# Altium PCB CM_PCB.PcbDoc (part 5 of 7) (continued)
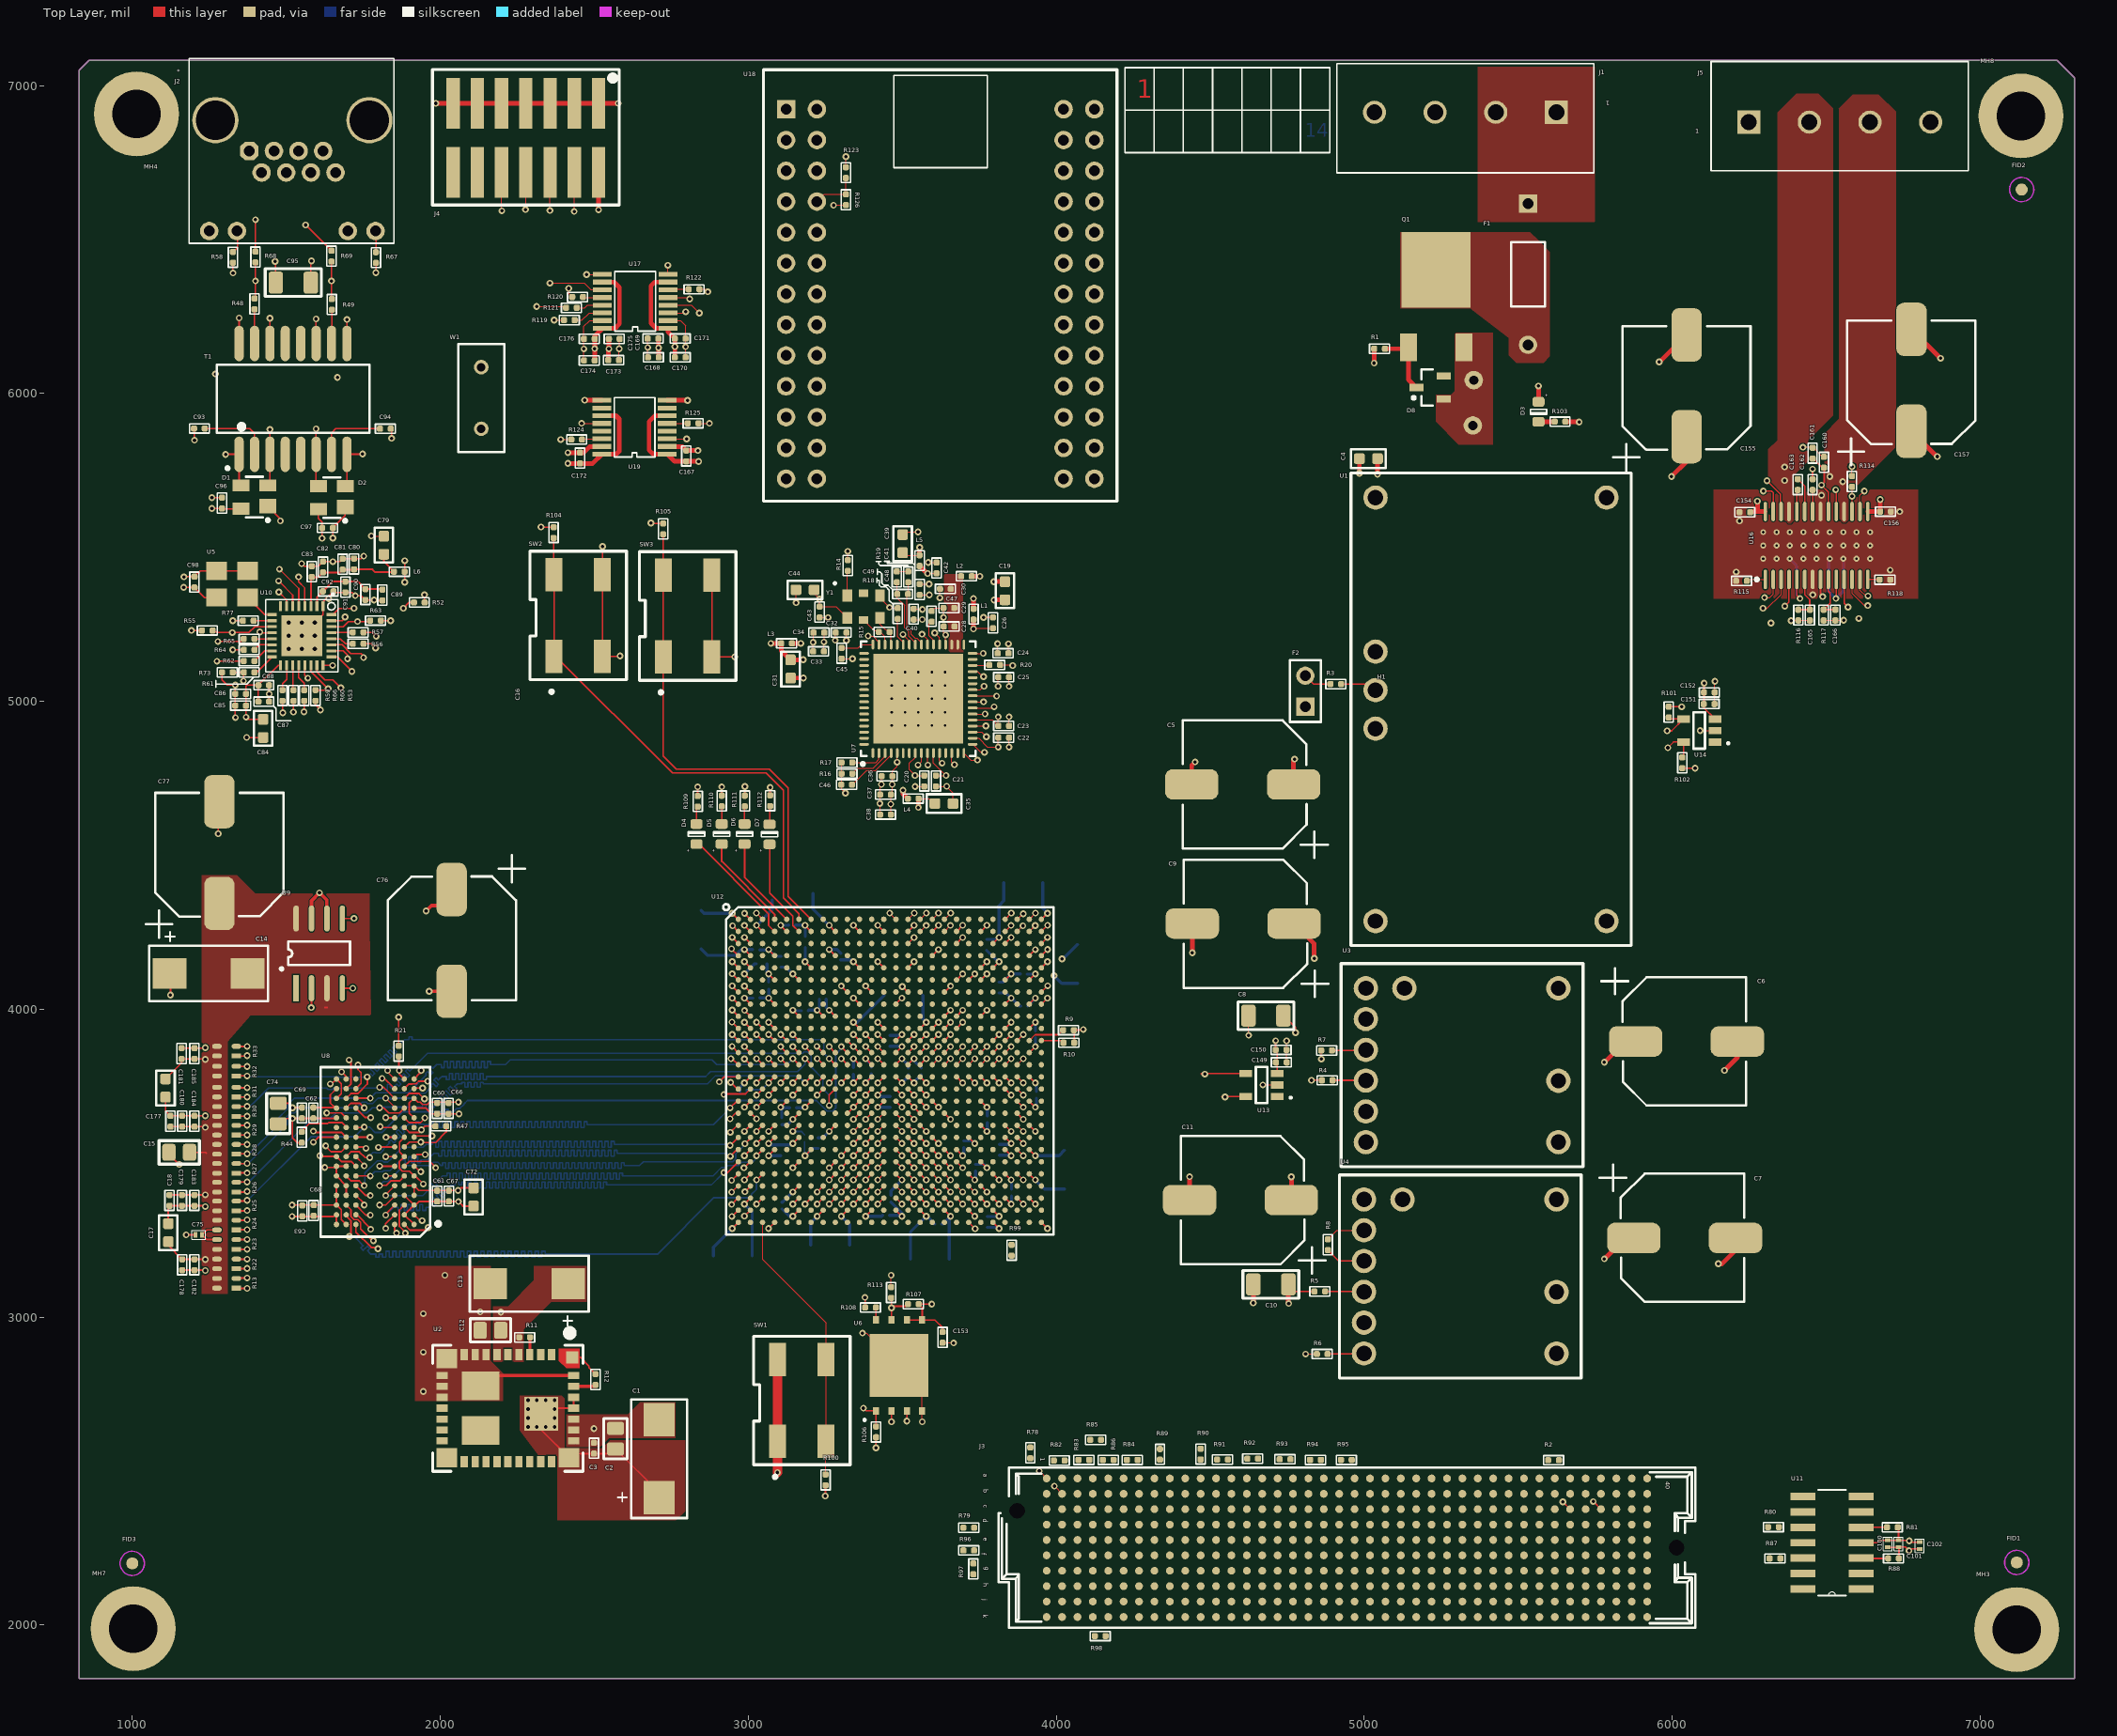
[diagram p0: Top Layer view]
## Nets (pads, with @x,y where several pads share a name; then routed paths per layer and width w, separated by ;. In a path a pad name is that pad's centre, name@x,y a point inside that pad or via, vN(x,y) a via of type N, cw(c..) or ccw(c..) an arc to the next point about the centre after c; other vN are vias at no path point) (continued)
  other v1: 3644.5,4724 1785,5329 6739,5616
  other v2: 2197,3016 1823,3288 1937,3472 1937,3568.64 1938,3801
  other v3: 6295.77,5462.69 6339.08,5462.69 6425.69,5462.69 6469,5462.69 6598.92,5462.69 6642.23,5462.69 6295.77,5506 6339.08,5506 6382.39,5506 6425.69,5506 6469,5506 6512.31,5506 6555.61,5506 6598.92,5506 6642.23,5506 6295.77,5549.31 6339.08,5549.31 6382.39,5549.31 6425.69,5549.31 6469,5549.31 6512.31,5549.31 6555.61,5549.31 6598.92,5549.31 6642.23,5549.31
  other v4: 3465.89,4921.39 3509.19,4921.39 3552.5,4921.39 3595.81,4921.39 3639.11,4921.39 3465.89,4964.69 3509.19,4964.69 3552.5,4964.69 3595.81,4964.69 3639.11,4964.69 3465.89,5008 3509.19,5008 3552.5,5008 3595.81,5008 3639.11,5008 3465.89,5051.31 3509.19,5051.31 3552.5,5051.31 3595.81,5051.31 3639.11,5051.31 3465.89,5094.61 3509.19,5094.61 3552.5,5094.61 3595.81,5094.61 3639.11,5094.61
  other v5: 2284.68,2643.06 2313.55,2643.06 2342.42,2643.06 2371.29,2643.06 2284.68,2671.93 2371.29,2671.93 2284.68,2700.81 2371.29,2700.81 2284.68,2729.68 2313.55,2729.68 2342.42,2729.68 2371.29,2729.68
GND_CHASSIS: C95.1 MH4.1 | length 68.1
  Top Layer w4: C95.1@1579.94,6359.8 v1@1579.94,6427.94
  other v1: 1582,6430
HA02_N: J3.k8 U12.U12 | length 27.8
  Top Layer w5: v1(3381.2,3642.31) U12.U12@3400.89,3662
HA02_P: J3.k7 U12.U13 | length 27.8
  Top Layer w5: v1(3420.57,3642.31) U12.U13@3440.26,3662
HA03_N: J3.j7 U12.AB10 | length 27.8
  Top Layer w5: v1(3302.46,3445.46) U12.AB10@3322.15,3465.15
HA03_P: J3.j6 U12.Y10 | length 27.8
  Top Layer w5: v1(3302.46,3524.2) U12.Y10@3322.15,3543.89
HA04_N: J3.f8 U12.W11 | length 27.8
  Top Layer w5: v1(3341.83,3563.57) U12.W11@3361.52,3583.26
HA04_P: J3.f7 U12.V11 | length 27.8
  Top Layer w5: v1(3341.83,3602.94) U12.V11@3361.52,3622.63
HA05_N: J3.e7 U12.AF8
HA05_P: J3.e6 U12.AD8 | length 27.8
  Top Layer w5: v1(3223.72,3366.72) U12.AD8@3243.41,3386.41
HA06_N: J3.k11 U12.AD9 | length 27.8
  Top Layer w5: v1(3263.09,3366.72) U12.AD9@3282.78,3386.41
HA06_P: J3.k10 U12.AC9 | length 27.8
  Top Layer w5: v1(3263.09,3406.09) U12.AC9@3282.78,3425.78
HA07_P: J3.j9 U12.AA9 | length 27.8
  Top Layer w4: v1(3263.09,3484.83) U12.AA9@3282.78,3504.52
HA08_N: J3.f11 U12.AF7
HA08_P: J3.f10 U12.AE7
HA09_N: J3.e10 U12.AF6
HA09_P: J3.e9 U12.AD6 | length 27.8
  Top Layer w5: v1(3144.98,3366.72) U12.AD6@3164.67,3386.41
HA10_N: J3.k14 U12.AF5
HA10_P: J3.k13 U12.AE5
HA11_P: J3.j12 U12.AE4
HB00_CC_N: J3.k26 U12.M21 | length 27.8
  Top Layer w5: U12.M21@3755.22,3858.85 v1(3774.91,3878.54)
HB00_CC_P: J3.k25 U12.N20 | length 27.8
  Top Layer w5: U12.N20@3715.85,3819.48 v1(3735.54,3839.17)
HB01_N: J3.j25 U12.L24 | length 27.8
  Top Layer w5: U12.L24@3873.33,3898.22 v1(3893.02,3917.91)
HB01_P: J3.j24 U12.L23 | length 27.8
  Top Layer w5: U12.L23@3833.96,3898.22 v1(3853.65,3917.91)
HB02_N: J3.f23 U12.N21 | length 27.8
  Top Layer w5: U12.N21@3755.22,3819.48 v1(3774.91,3839.17)
HB02_P: J3.f22 U12.P20 | length 27.8
  Top Layer w5: U12.P20@3715.85,3780.11 v1(3735.54,3760.42)
HB03_N: J3.e22 U12.N24 | length 27.8
  Top Layer w5: U12.N24@3873.33,3819.48 v1(3893.02,3839.17)
HB03_P: J3.e21 U12.M23 | length 27.8
  Top Layer w5: U12.M23@3833.96,3858.85 v1(3853.65,3878.54)
HB04_N: J3.f26 U12.K18 | length 27.8
  Top Layer w5: U12.K18@3637.11,3937.59 v1(3656.8,3957.28)
HB04_P: J3.f25 U12.L17 | length 27.8
  Top Layer w5: U12.L17@3597.74,3898.22 v1(3617.43,3917.91)
HB05_N: J3.e25 U12.P26
HB05_P: J3.e24 U12.P24 | length 27.8
  Top Layer w5: U12.P24@3873.33,3780.11 v1(3893.02,3760.42)
HB06_CC_N: J3.k29 U12.P22 | length 27.8
  Top Layer w5: U12.P22@3794.59,3780.11 v1(3814.28,3760.42)
HB06_CC_P: J3.k28 U12.P21 | length 27.8
  Top Layer w5: U12.P21@3755.22,3780.11 v1(3774.91,3760.42)
HB07_N: J3.j28 U12.L18 | length 27.8
  Top Layer w5: U12.L18@3637.11,3898.22 v1(3656.8,3917.91)
HB07_P: J3.j27 U12.M19 | length 27.8
  Top Layer w5: U12.M19@3676.48,3858.85 v1(3696.17,3878.54)
HB08_N: J3.f29 U12.R26
HB08_P: J3.f28 U12.R25
HB09_N: J3.e28 U12.N19 | length 27.8
  Top Layer w5: U12.N19@3676.48,3819.48 v1(3696.17,3839.17)
HB09_P: J3.e27 U12.M18 | length 27.8
  Top Layer w5: U12.M18@3637.11,3858.85 v1(3656.8,3878.54)
HB10_N: J3.k32 U12.N23 | length 27.8
  Top Layer w5: U12.N23@3833.96,3819.48 v1(3853.65,3839.17)
HB10_P: J3.k31 U12.N22 | length 27.8
  Top Layer w5: U12.N22@3794.59,3819.48 v1(3814.28,3839.17)
HB11_N: J3.j31 U12.N18 | length 27.8
  Top Layer w5: U12.N18@3637.11,3819.48 v1(3656.8,3839.17)
HB11_P: J3.j30 U12.N17 | length 27.8
  Top Layer w5: U12.N17@3597.74,3819.48 v1(3617.43,3839.17)
HB12_N: J3.f32 U12.R24 | length 27.8
  Top Layer w5: U12.R24@3873.33,3740.74 v1(3893.02,3721.05)
HB12_P: J3.f31 U12.R23 | length 27.8
  Top Layer w5: U12.R23@3833.96,3740.74 v1(3853.65,3721.05)
HB13_N: J3.e31 U12.W26
HB13_P: J3.e30 U12.W25
HB14_N: J3.k35 U12.V26
HB14_P: J3.k34 U12.V24 | length 27.8
  Top Layer w5: U12.V24@3873.33,3622.63 v1(3893.02,3602.94)
HB15_N: J3.j34 U12.T26
HB15_P: J3.j33 U12.T24 | length 27.8
  Top Layer w5: U12.T24@3873.33,3701.37 v1(3893.02,3681.68)
HB16_N: J3.f35 U12.Y26
HB16_P: J3.f34 U12.Y24 | length 27.8
  Top Layer w5: U12.Y24@3873.33,3543.89 v1(3893.02,3524.2)
HB17_CC_N: J3.k38 U12.W24 | length 27.8
  Top Layer w5: U12.W24@3873.33,3583.26 v1(3893.02,3563.57)
HB17_CC_P: J3.k37 U12.V23 | length 27.8
  Top Layer w5: U12.V23@3833.96,3622.63 v1(3853.65,3602.94)
HB18_N: J3.j37 U12.AD26
HB18_P: J3.j36 U12.AD24 | length 27.8
  Top Layer w5: U12.AD24@3873.33,3386.41 v1(3893.02,3366.72)
HB19_N: J3.e34 U12.AB26
HB19_P: J3.e33 U12.AB24 | length 27.8
  Top Layer w5: U12.AB24@3873.33,3465.15 v1(3893.02,3445.46)
HB20_N: J3.f38 U12.AC26
HB20_P: J3.f37 U12.AC25
HB21_N: J3.e37 U12.AA26
HB21_P: J3.e36 U12.AA25
LA00_CC_N: J3.g7 U12.AF14
LA00_CC_P: J3.g6 U12.AD14 | length 27.8
  Top Layer w5: U12.AD14@3479.63,3386.41 v1(3499.32,3366.72)
LA01_CC_N: J3.d9 U12.AF13
LA01_CC_P: J3.d8 U12.AE13
LA02_N: J3.h8 U12.AF21
LA02_P: J3.h7 U12.AE21
LA03_P: J3.g9 U12.AE19
LA04_N: J3.h11 U12.AD21 | length 27.8
  Top Layer w5: U12.AD21@3755.22,3386.41 v1(3774.91,3366.72)
LA04_P: J3.h10 U12.AC20 | length 27.8
  Top Layer w5: U12.AC20@3715.85,3425.78 v1(3735.54,3406.09)
LA05_N: J3.d12 U12.AA19 | length 27.8
  Top Layer w5: U12.AA19@3676.48,3504.52 v1(3696.17,3484.83)
LA05_P: J3.d11 U12.Y18 | length 27.8
  Top Layer w5: U12.Y18@3637.11,3543.89 v1(3656.8,3524.2)
LA06_N: J3.c11 U12.AD19 | length 27.8
  Top Layer w5: U12.AD19@3676.48,3386.41 v1(3696.17,3366.72)
LA06_P: J3.c10 U12.AC19 | length 27.8
  Top Layer w5: U12.AC19@3676.48,3425.78 v1(3696.17,3406.09)
LA07_N: J3.h14 U12.W17 | length 27.8
  Top Layer w5: U12.W17@3597.74,3583.26 v1(3617.43,3563.57)
LA07_P: J3.h13 U12.V16 | length 27.8
  Top Layer w5: U12.V16@3558.37,3622.63 v1(3578.06,3602.94)
LA08_N: J3.g13 U12.AF18
LA08_P: J3.g12 U12.AD18 | length 27.8
  Top Layer w5: U12.AD18@3637.11,3386.41 v1(3656.8,3366.72)
LA09_N: J3.d15 U12.AA17 | length 27.8
  Top Layer w5: U12.AA17@3597.74,3504.52 v1(3617.43,3484.83)
LA09_P: J3.d14 U12.Y16 | length 27.8
  Top Layer w5: U12.Y16@3558.37,3543.89 v1(3578.06,3524.2)
LA10_N: J3.c15 U12.AB18 | length 27.8
  Top Layer w5: U12.AB18@3637.11,3465.15 v1(3656.8,3445.46)
LA10_P: J3.c14 U12.AA18 | length 27.8
  Top Layer w5: U12.AA18@3637.11,3504.52 v1(3656.8,3484.83)
LA11_N: J3.h17 U12.AF17
LA11_P: J3.h16 U12.AE17
LA12_N: J3.g16 U12.AF16
LA13_N: J3.d18 U12.AF15
LA13_P: J3.d17 U12.AE15
LA14_N: J3.c19 U12.AC17 | length 27.8
  Top Layer w5: U12.AC17@3597.74,3425.78 v1(3617.43,3406.09)
LA14_P: J3.c18 U12.AB17 | length 27.8
  Top Layer w5: U12.AB17@3597.74,3465.15 v1(3617.43,3445.46)
LA15_P: J3.h19 U12.AC15 | length 27.8
  Top Layer w4: U12.AC15@3519,3425.78 v1(3538.69,3406.09)
LA16_N: J3.g19 U12.AD17 | length 27.8
  Top Layer w5: U12.AD17@3597.74,3386.41 v1(3617.43,3366.72)
LA16_P: J3.g18 U12.AC16 | length 27.8
  Top Layer w5: U12.AC16@3558.37,3425.78 v1(3578.06,3406.09)
LA17_CC_N: J3.d21 U12.AD13 | length 27.8
  Top Layer w5: v1(3420.57,3366.72) U12.AD13@3440.26,3386.41
LA17_CC_P: J3.d20 U12.AC13 | length 27.8
  Top Layer w5: v1(3420.57,3406.09) U12.AC13@3440.26,3425.78
LA18_CC_N: J3.c23 U12.AF12
LA18_CC_P: J3.c22 U12.AD12 | length 27.8
  Top Layer w5: v1(3381.2,3366.72) U12.AD12@3400.89,3386.41
LA19_N: J3.h23 U12.W16 | length 27.8
  Top Layer w5: U12.W16@3558.37,3583.26 v1(3578.06,3563.57)
LA19_P: J3.h22 U12.V15 | length 27.8
  Top Layer w5: U12.V15@3519,3622.63 v1(3538.69,3602.94)
LA20_N: J3.g22 U12.AC14 | length 27.8
  Top Layer w5: U12.AC14@3479.63,3425.78 v1(3499.32,3406.09)
LA20_P: J3.g21 U12.AB15 | length 27.8
  Top Layer w5: U12.AB15@3519,3465.15 v1(3538.69,3445.46)
LA21_N: J3.h26 U12.AA15 | length 27.8
  Top Layer w5: U12.AA15@3519,3504.52 v1(3538.69,3484.83)
LA21_P: J3.h25 U12.Y15 | length 27.8
  Top Layer w5: U12.Y15@3519,3543.89 v1(3538.69,3524.2)
LA22_N: J3.g25 U12.AA14 | length 27.8
  Top Layer w5: U12.AA14@3479.63,3504.52 v1(3499.32,3484.83)
LA22_P: J3.g24 U12.Y14 | length 27.8
  Top Layer w5: U12.Y14@3479.63,3543.89 v1(3499.32,3524.2)
LA23_N: J3.d24 U12.Y13 | length 27.8
  Top Layer w5: v1(3420.57,3524.2) U12.Y13@3440.26,3543.89
LA23_P: J3.d23 U12.W13 | length 27.8
  Top Layer w5: v1(3420.57,3563.57) U12.W13@3440.26,3583.26
LA24_N: J3.h29 U12.AB13 | length 27.8
  Top Layer w5: v1(3420.57,3445.46) U12.AB13@3440.26,3465.15
LA24_P: J3.h28 U12.AA13 | length 27.8
  Top Layer w5: v1(3420.57,3484.83) U12.AA13@3440.26,3504.52
LA25_P: J3.g27 U12.AA12 | length 27.8
  Top Layer w4: v1(3381.2,3484.83) U12.AA12@3400.89,3504.52
LA26_N: J3.d27 U12.V14 | length 27.8
  Top Layer w5: U12.V14@3479.63,3622.63 v1(3499.32,3602.94)
LA26_P: J3.d26 U12.U15 | length 27.8
  Top Layer w5: U12.U15@3519,3662 v1(3538.69,3642.31)
LA27_N: J3.c27 U12.AB11 | length 27.8
  Top Layer w5: v1(3341.83,3445.46) U12.AB11@3361.52,3465.15
LA27_P: J3.c26 U12.AA11 | length 27.8
  Top Layer w5: v1(3341.83,3484.83) U12.AA11@3361.52,3504.52
LA28_N: J3.h32 U12.W14 | length 27.8
  Top Layer w5: U12.W14@3479.63,3583.26 v1(3499.32,3563.57)
LA28_P: J3.h31 U12.V13 | length 27.8
  Top Layer w5: v1(3420.57,3602.94) U12.V13@3440.26,3622.63
LA29_N: J3.g31 U12.AD11 | length 27.8
  Top Layer w5: v1(3341.83,3366.72) U12.AD11@3361.52,3386.41
LA29_P: J3.g30 U12.AC11 | length 27.8
  Top Layer w5: v1(3341.83,3406.09) U12.AC11@3361.52,3425.78
LA30_N: J3.h35 U12.W12 | length 27.8
  Top Layer w5: v1(3381.2,3563.57) U12.W12@3400.89,3583.26
LA30_P: J3.h34 U12.V12 | length 27.8
  Top Layer w5: v1(3381.2,3602.94) U12.V12@3400.89,3622.63
LA31_N: J3.g34 U12.AF11
LA31_P: J3.g33 U12.AE11
LA32_P: J3.h37 U12.AE9
LA33_N: J3.g37 U12.AF10
LA33_P: J3.g36 U12.AD10 | length 27.8
  Top Layer w5: v1(3302.46,3366.72) U12.AD10@3322.15,3386.41
LVDS_LOW_BUFF0_N: J3.a23 J3.a27 J3.a31 J3.a35 J3.a39 U11.8 U11.9
LVDS_LOW_BUFF0_P: J3.a22 J3.a26 J3.a30 J3.a34 J3.a38 U11.1 U11.2
LVDS_LOW_BUFF1_N: J3.b25 J3.b29 J3.b33 J3.b37 J3.c3 U11.13 U11.14
LVDS_LOW_BUFF1_P: J3.b24 J3.b28 J3.b32 J3.b36 J3.c2 U11.6 U11.7
LVDS_LOW_N: R80.1 R87.2 U11.10 U11.12
LVDS_LOW_P: R81.1 R88.2 U11.3 U11.5 | length 171.4
  Top Layer w5: U11.3@6614,2217 6615,2216 R88.2@6701.5,2216 ; U11.5@6614,2317 R81.1@6697.5,2317
NetC45_2: C45.2 U7.48 | length 105.8
  Top Layer w3: C45.2@3303.5,5173.5 3357,5173.5 3367.68,5184.18 U7.48@3404.86,5184.18
NetC46_2: C46.2 U7.4 | length 173.3
  Top Layer w3: C46.2@3337,4729 3338.5,4729 3384.5,4775 3413.5,4775 3463.92,4825.42 U7.4@3463.92,4831.82
NetC47_2: C47.2 U7.38 | length 74.7
  Top Layer w3: C47.2@3587.5,5253 3587.5,5213 3601.71,5198.79 U7.38@3601.71,5184.18
NetC48_1: C48.1 C49.1 U7.41 | length 227.3
  Top Layer w3: C48.1@3482.5,5386.5 3484,5385 C49.1@3484,5348 3484,5335.5 3507.5,5312 3507.5,5239 3521.5,5225 3521.5,5211 3527.07,5205.43 3527.13,5205.43 3542.66,5189.9 U7.41@3542.66,5184.18
NetC48_2: C48.2 R19.1 | length 37
  Top Layer w3: C48.2@3482.5,5421.5 R19.1@3519.5,5421.5
NetC49_2: C49.2 R19.2 U7.40 | length 226.7
  Top Layer w3: R19.2@3519.5,5386.5 3519.5,5348.5 C49.2@3519,5348 3515.5,5344.5 3515.5,5241 3528.5,5228 3528.5,5218.02 3541.09,5205.43 3546.81,5205.43 3562.34,5189.9 U7.40@3562.34,5184.18
NetC75_2: C75.2 R23.3 R24.4 | length 109.1
  Top Layer w5.5: R23.3@1275.01,3251.5 1242.5,3251.5 C75.2@1227,3267 1243,3283 R24.4@1275.01,3283
NetC162_1: C162.1 U16.22 | length 70.3
  Top Layer w5: C162.1@6456,5686.5 6456.2,5686.3 U16.22@6456.2,5616.24
NetC163_1: C163.1 U16.24 | length 67.3
  Top Layer w5: U16.24@6405.02,5616.24 C163.1@6405.02,5683.52
NetC163_2: C163.2 U16.23 | length 114.6
  Top Layer w5: C163.2@6408,5721.5 6430.61,5698.89 U16.23@6430.61,5616.24
NetC165_1: C165.1 R116.2 U16.6 | length 142.1
  Top Layer w5: R116.2@6410,5297.5 C165.1@6447,5297.5 6447,5330 6430.61,5346.39 U16.6@6430.61,5395.76
NetC166_1: C166.1 R117.2 U16.9 | length 147.3
  Top Layer w5: U16.9@6507.39,5395.76 6507.39,5357.61 6513,5352 6513,5318.5 R117.2@6492,5297.5 C166.1@6530,5297.5
NetD3_K: D3.K R103.2 | length 52
  Top Layer w15: D3.K@5566,5907.52 R103.2@5618.02,5907.52
NetD4_K: D4.K R109.2 | length 52
  Top Layer w4: D4.K@2832,4601.48 R109.2@2832,4653.5
NetD5_K: D5.K R110.2 | length 57
  Top Layer w4: D5.K@2914,4601.48 R110.2@2914,4658.5
NetD6_K: D6.K R111.2 | length 56
  Top Layer w4: D6.K@2988,4601.48 R111.2@2988,4657.5
NetD7_K: D7.K R112.2 | length 57
  Top Layer w4: D7.K@3070,4601.48 R112.2@3070,4658.5
NetD8_1: D8.1 Q1.G R1.2 | length 218.5
  Top Layer w15: R1.2@5067.5,6145 5139.5,6145 Q1.G@5143.5,6149 5143.5,6045.21 D8.1@5169.71,6019
NetF1_1: F1.1 J1.1 J1.2
NetF1_2: F1.2 Q1.D
NetJ2_4: J2.4 J2.5 R68.2 | length 355
  Top Layer w4: R68.2@1399.94,6460.3 1399.94,6563.94 v1(1400,6564)
  DIFF_SE2 w3: v1(1400,6564) 1400,6617.35 J2.4@1499.94,6717.3 ; 1499.94,6747.3 J2.5@1539.94,6787.3
NetJ2_7: J2.7 J2.8 R69.2 | length 385.6
  Top Layer w4: v1(1563,6547) 1563.24,6547 R69.2@1646.94,6463.3
  DIFF_SE2 w3: v1(1563,6547) 1563,6620.35 J2.8@1659.94,6717.3 ; J2.7@1619.94,6787.3 1659.94,6747.3
NetJ2_10: J2.10 R58.1 | length 72.5
  Top Layer w4: R58.1@1327,6459.5 1341,6473.5 J2.10@1341,6526.24
NetJ2_12: J2.12 R67.1 | length 67.7
  Top Layer w4: R67.1@1791,6458.5 J2.12@1791,6526.24
NetJ3_A2: J3.a2 R82.1
NetJ3_A3: J3.a3 R82.2
NetJ3_A6: J3.a6 R84.1
NetJ3_A7: J3.a7 R84.2
NetJ3_A10: J3.a10 R90.1
NetJ3_A11: J3.a11 R90.2
NetJ3_A14: J3.a14 R92.1
NetJ3_A15: J3.a15 R92.2
NetJ3_A18: J3.a18 R94.1
NetJ3_A19: J3.a19 R94.2
NetJ3_B1: J3.b1 R78.1
NetJ3_B4: J3.b4 R83.2
NetJ3_B5: J3.b5 R83.1
NetJ3_B8: J3.b8 R89.2
NetJ3_B9: J3.b9 R89.1
NetJ3_B12: J3.b12 R91.2
NetJ3_B13: J3.b13 R91.1
NetJ3_B16: J3.b16 R93.2
NetJ3_B17: J3.b17 R93.1
NetJ3_B20: J3.b20 R95.2
NetJ3_B21: J3.b21 R95.1
NetJ3_C6: J3.c6 R86.1
NetJ3_C7: J3.c7 R86.2
NetJ3_D4: J3.d4 R85.2
NetJ3_D5: J3.d5 R85.1
NetJ3_D34: J3.d34 R2.1
NetJ3_G2: J3.g2 R97.1
NetJ3_G3: J3.g3 R97.2
NetJ3_H4: J3.h4 R98.2
NetJ3_H5: J3.h5 R98.1
NetR3_2: R3.2 U1.4 | length 119.5
  Top Layer w5: R3.2@4925.5,5056 5017.3,5056 U1.4@5036.92,5036.38
NetR4_2: R4.2 U3.8 | length 108.3
  Top Layer w5: R4.2@4897.5,3769 5004.32,3769 U3.8@5005.4,3767.92
NetR5_2: R5.2 U4.8 | length 126.3
  Top Layer w5: R5.2@4873.5,3083 4998.32,3083 U4.8@4999.4,3081.92
NetR6_2: R6.2 U4.10 | length 118.7
  Top Layer w5: R6.2@4881.5,2880 4997.48,2880 U4.10@4999.4,2881.92
NetR7_2: R7.2 U3.7 | length 110.7
  Top Layer w5: R7.2@4895.5,3866 5003.48,3866 U3.7@5005.4,3867.92
NetR8_2: R8.2 U4.7 | length 132.1
  Top Layer w5: R8.2@4882,3217.5 4917.58,3181.92 U4.7@4999.4,3181.92
NetR11_2: R11.2 U2.4 | length 63.3
  Top Layer w5.5: U2.4@2285.5,2883.38 U2.4@2290.58,2878.3
  Top Layer w10: U2.4@2290.58,2878.3 2291.5,2879.22 R11.2@2291.5,2934
NetR12_2: R12.2 U2.35 | length 70.7
  Top Layer w10: U2.35@2433.3,2774.95 R12.2@2504,2774.95
NetR14_2: R14.2 Y1.1 | length 81
  Top Layer w3: Y1.1@3321.5,5343.31 3321.5,5421.5 R14.2@3323.5,5423.5
NetR16_1: R16.1 U7.3 | length 140.4
  Top Layer w3: R16.1@3338,4765 3355,4782 3405.5,4782 3444.23,4820.73 U7.3@3444.23,4831.82
NetR17_1: R17.1 U7.2 | length 111.5
  Top Layer w3: R17.1@3338,4801 3414.5,4801 3424.55,4811.05 U7.2@3424.55,4831.82
NetR18_1: R18.1 U7.43 | length 90.7
  Top Layer w3: R18.1@3485.5,5267.5 3485.5,5210 3503.29,5192.21 U7.43@3503.29,5184.18
NetR20_2: R20.2 U7.30 | length 52.6
  Top Layer w3: U7.30@3728.68,5116.27 R20.2@3781.27,5116.27
NetR44_2: R44.2 U8.L8 | length 166.4
  Top Layer w5.5: R44.2@1550,3601.5 1550,3604 1574.72,3628.72 1634.72,3628.72 1637.35,3631.35 1681.65,3631.35 1694.51,3618.49 U8.L8@1694.51,3615.74
NetR47_2: R47.2 U8.L2 | length 115.7
  Top Layer w5.5: U8.L2@1883.49,3615.74 1899.23,3600 1932.98,3600 v2@1938.73,3605.75 ; v2(1938.84,3608.3) 1950.54,3620 R47.2@1984.5,3620
  Bottom Layer w5: v2@1938.73,3604.73 v2@1938.73,3605.75
NetR48_2: R48.2 T1.15 | length 111
  Top Layer w4: T1.15@1396.94,6162.3 R48.2@1396.94,6273.3
NetR49_2: R49.2 T1.10 | length 109.4
  Top Layer w4: T1.10@1646.94,6162.3 1647.94,6163.3 R49.2@1647.94,6271.3
NetR56_1: R56.1 U10.28 | length 75.7
  Top Layer w4: U10.28@1646.9,5202.95 1676.05,5202.95 1692.2,5186.8 R56.1@1715.94,5186.8
NetR57_1: R57.1 U10.29 | length 69.5
  Top Layer w4: U10.29@1646.9,5222.64 1648.06,5223.8 R57.1@1715.94,5223.8
NetR59_1: R59.1 U10.18 | length 85.8
  Top Layer w4: R59.1@1487.44,5036.3 1487.44,5057.44 1501.23,5071.23 U10.18@1501.23,5116.34
NetR60_1: R60.1 U10.20 | length 87.4
  Top Layer w4: U10.20@1540.6,5116.34 1540.6,5077.4 1558.44,5059.56 R60.1@1558.44,5036.3
NetR61_1: R61.1 U10.16 | length 77.8
  Top Layer w4: R61.1@1396.94,5093.8 1403.89,5093.8 U10.16@1453.99,5143.9
NetR62_1: R62.1 U10.15 | length 70.6
  Top Layer w4: R62.1@1396.94,5130.8 1429.73,5163.58 U10.15@1453.99,5163.58
NetR64_1: R64.1 U10.14 | length 63.7
  Top Layer w4: R64.1@1397,5167 1413.27,5183.27 U10.14@1453.99,5183.27
NetR65_1: R65.1 U10.13 | length 57.1
  Top Layer w4: R65.1@1396.94,5202.8 1397.1,5202.95 U10.13@1453.99,5202.95
NetR66_1: R66.1 U10.19 | length 81.1
  Top Layer w4: U10.19@1520.92,5116.34 1520.92,5038.82 R66.1@1523.44,5036.3
NetR77_2: R77.2 U10.10 | length 60.1
  Top Layer w4: R77.2@1393.94,5261.8 1394.16,5262.01 U10.10@1453.99,5262.01
NetR99_2: R99.2 U12.AF23
NetR100_1: R100.1 SW1.2 SW1.3 U12.AF3 | length 905.3
  Top Layer w3: U12.AF3@3046.56,3307.67 3046.56,3187.44 3252.74,2981.26 SW1.3@3252.74,2861.87 SW1.2@3252.74,2596.13 3251,2594.39 R100.1@3251,2488.5
NetR108_2: R108.2 U6.5 | length 39.9
  Top Layer w5: U6.5@3415,2990.64 R108.2@3415,3030.5
NetR115_1: R115.1 U16.1 | length 62.1
  Top Layer w3: R115.1@6242.5,5391 6247.26,5395.76 U16.1@6302.66,5395.76
NetR118_1: R118.1 U16.14 | length 38.5
  Top Layer w5: U16.14@6635.34,5395.76 6672.74,5395.76 R118.1@6673.5,5395
NetR119_1: R119.1 U17.14 | length 99.9
  Top Layer w3: R119.1@2436.5,6238 2460,6238 2483.5,6261.5 U17.14@2526.7,6261.5
NetR120_1: R120.1 U17.12 | length 63.8
  Top Layer w3: R120.1@2463.5,6313 2465,6311.5 U17.12@2526.7,6311.5
NetR121_1: R121.1 U17.13 | length 86.7
  Top Layer w3: R121.1@2443.5,6278 2469,6278 2477.5,6286.5 U17.13@2526.7,6286.5
NetR122_2: R122.2 U17.6 | length 67.8
  Top Layer w3: U17.6@2739.3,6336.5 2740.8,6338 R122.2@2806.5,6338
NetR123_2: R123.2 R126.2 U18.CN2-8 | length 156.7
  Top Layer w3: U18.CN2-8@3223,6623 3246.5,6646.5 R126.2@3317,6646.5 R123.2@3317,6699.5
NetR124_1: R124.1 U19.14 | length 65.2
  Top Layer w3: R124.1@2460.5,5850 2463,5852.5 U19.14@2524.7,5852.5
NetR125_2: R125.2 U19.5 | length 66.4
  Top Layer w3: U19.5@2737.3,5902.5 2737.8,5903 R125.2@2803.5,5903
NetU5_3: U5.3 U10.9 | length 103
  Top Layer w4: U5.3@1373.94,5337.18 1429.43,5281.69 U10.9@1453.99,5281.69
OSC_CDCE_N: R15.2 U7.45 Y1.4 | length 101.7
  Top Layer w3: Y1.4@3427.8,5270.87 3427.8,5251.7 3463.92,5215.58 U7.45@3463.92,5184.18
OSC_CDCE_P: R15.1 U7.46 Y1.5 | length 117.1
  Top Layer w3: Y1.5@3374.65,5263.39 3409.04,5229 3424.5,5229 3444.23,5209.27 U7.46@3444.23,5184.18
PB00: R104.2 SW2.1 SW2.4 U12.A6 | length 1753
  Top Layer w4: SW2.1@2367.5,5153.5 2754,4767 3058,4767 3114,4711 3114,4361 3164.67,4310.33 U12.A6@3164.67,4291.92 ; SW2.4@2368,5413.13 R104.2@2368,5530.5 ; SW2.1@2369.26,5146.13 SW2.4@2369.26,5411.87
PB01: R105.2 SW3.1 SW3.4 U12.A7 | length 1636.7
  Top Layer w4: SW3.1@2718.5,5148.5 SW3.1@2729.5,5148.5 ; R105.2@2724,5542.5 2724,5410.13 SW3.4@2724.26,5409.87 SW3.1@2724.26,5144.13 2724.26,4822.74 2767,4780 3068,4780 3130,4718 3130,4365.96 U12.A7@3204.04,4291.92
PG_CONTROLLER: J3.f1 R96.1
PG_MEZANINE: J3.d1 R79.1
PHY_COL: R56.2 U12.C1 | length 2845.3
  Top Layer w4: R56.2@1750.94,5186.8 1776.2,5186.8 v1(1790,5173) ; v1(2948,4233) U12.C1@2967.82,4213.18
  DIFF_SE2 w4: v1(1790,5173) 1888,5173 1896,5165 1899.18,5161.82 1904.81,5167.44 1911.17,5161.08 1905.55,5155.45 1899.92,5149.83 1906.28,5143.46 1911.91,5149.09 1917.54,5154.72 1923.9,5148.35 1918.27,5142.73 1912.65,5137.1 1919.01,5130.74 1924.64,5136.36 1930.26,5141.99 1936.63,5135.62 1931,5130 1925.38,5124.37 1931.74,5118.01 1937.37,5123.63 1942.99,5129.26 1949.36,5122.9 1943.73,5117.27 1938.1,5111.64 1944.47,5105.28 1950.09,5110.91 1955.72,5116.53 1962.08,5110.17 1956.46,5104.54 1950.83,5098.92 1957.2,5092.55 1962.82,5098.18 1968.45,5103.8 1974.81,5097.44 1969.19,5091.81 1963.56,5086.19 1969.92,5079.83 1975.55,5085.45 1981.17,5091.08 1987.54,5084.71 1981.91,5079.09 1976.29,5073.46 1982.65,5067.1 1988.28,5072.72 1993.9,5078.35 2000.27,5071.98 1994.64,5066.36 1989.02,5060.73 1995.38,5054.37 2001.01,5059.99 2006.63,5065.62 2012.99,5059.26 2007.37,5053.63 2001.74,5048.01 2008.11,5041.64 2013.73,5047.27 2019.36,5052.89 2025.72,5046.53 2020.1,5040.9 2014.47,5035.28 2020.84,5028.91 2026.46,5034.54 2032.09,5040.16 2038.45,5033.8 2032.83,5028.17 2027.2,5022.55 2033.56,5016.19 2039.19,5021.81 2044.81,5027.44 2051.18,5021.07 2045.55,5015.45 2039.93,5009.82 2046.29,5003.46 2051.92,5009.08 2057.54,5014.71 2063.91,5008.34 2058.28,5002.72 2052.66,4997.09 2059.02,4990.73 2064.64,4996.35 2070.27,5001.98 2076.63,4995.62 2071.01,4989.99 2065.38,4984.37 2071.75,4978 2077.37,4983.63 2083,4989.25 2089.36,4982.89 2083.74,4977.26 2078.11,4971.64 2084.48,4965.27 2090.1,4970.9 2095.73,4976.52 2102.09,4970.16 2096.46,4964.54 2090.84,4958.91 2097.2,4952.55 2102.83,4958.17 2108.45,4963.8 2114.82,4957.43 2109.19,4951.81 2103.57,4946.18 2109.93,4939.82 2115.56,4945.44 2121.18,4951.07 2127.55,4944.7 2121.92,4939.08 2116.3,4933.45 2122.66,4927.09 2128.28,4932.72 2133.91,4938.34 2140.27,4931.98 2134.65,4926.35 2129.02,4920.73 2135.39,4914.36 2141.01,4919.99 2146.64,4925.61 2153,4919.25 2147.38,4913.62 2141.75,4908 2148.12,4901.63 2153.74,4907.26 2159.37,4912.88 2165.73,4906.52 2160.1,4900.9 2154.48,4895.27 2160.84,4888.91 2166.47,4894.53 2172.09,4900.16 2178.46,4893.79 2172.83,4888.17 2167.21,4882.54 2173.57,4876.18 2179.2,4881.8 2184.82,4887.43 2191.18,4881.06 2185.56,4875.44 2179.93,4869.81 2186.3,4863.45 2191.92,4869.08 2197.55,4874.7 2203.91,4868.34 2198.29,4862.71 2192.66,4857.09 2199.03,4850.72 2204.65,4856.35 2210.28,4861.97 2216.64,4855.61 2211.02,4849.98 2205.39,4844.36 2211.75,4837.99 2217.38,4843.62 2223,4849.24 2229.37,4842.88 2223.74,4837.26 2218.12,4831.63 2224.48,4825.27 2230.11,4830.89 2235.73,4836.52 2242.1,4830.15 2236.47,4824.53 2230.85,4818.9 2237.21,4812.54 2242.84,4818.16 2248.46,4823.79 2254.82,4817.42 2249.2,4811.8 2243.57,4806.17 2249.94,4799.81 2255.56,4805.44 2261.19,4811.06 2267.55,4804.7 2261.93,4799.07 2256.3,4793.45 2262.67,4787.08 2268.29,4792.71 2273.92,4798.33 2280.28,4791.97 2274.66,4786.34 2269.03,4780.72 2275.39,4774.36 2281.02,4779.98 2286.64,4785.61 2293.01,4779.24 2287.38,4773.62 2281.76,4767.99 2288.12,4761.63 2293.75,4767.25 2299.37,4772.88 2305.74,4766.51 2300.11,4760.89 2294.49,4755.26 2300.85,4748.9 2306.48,4754.52 2312.1,4760.15 2318.46,4753.79 2312.84,4748.16 2307.21,4742.54 2313.58,4736.17 2319.2,4741.8 2324.83,4747.42 2331.19,4741.06 2325.57,4735.43 2319.94,4729.81 2326.31,4723.44 2331.93,4729.07 2337.56,4734.69 2343.92,4728.33 2338.3,4722.7 2332.67,4717.08 2339.03,4710.72 2344.66,4716.34 2350.28,4721.97 2356.65,4715.6 2351.02,4709.98 2345.4,4704.35 2351.76,4697.99 2357.39,4703.61 2363.01,4709.24 2369.38,4702.87 2363.75,4697.25 2358.13,4691.62 2364.49,4685.26 2370.12,4690.88 2375.74,4696.51 2382.1,4690.15 2376.48,4684.52 2370.85,4678.9 2377.22,4672.53 2382.84,4678.16 2388.47,4683.78 2394.83,4677.42 2389.21,4671.79 2391,4670 2828,4233 v1(2948,4233)
PHY_CONN_RX_N: J2.6 T1.9 | length 752.7
  Top Layer w5: J2.6@1579.94,6717.3 J2.6@1595.3,6717.3 ; T1.9@1696.94,6162.3 v1(1696.94,6240.06)
  DIFF_SE1 w3: J2.6@1561.3,6717.3 1551.5,6707.5 1549.8,6705.8 1548.44,6707.16 1542.78,6701.51 1544.14,6700.14 1569.92,6674.37 1564.26,6668.71 1538.49,6694.49 1537.42,6695.55 1531.77,6689.89 1532.83,6688.83 1530,6686 1526.5,6682.5 1526.5,6663.5 1614.66,6575.34 1614.66,6328.66 1650.94,6292.37 1650.94,6256 1666.89,6240.06 v1(1696.94,6240.06)